# EAGLE board working (EAGLE 9.6.2), part 27 of 28 (continued)
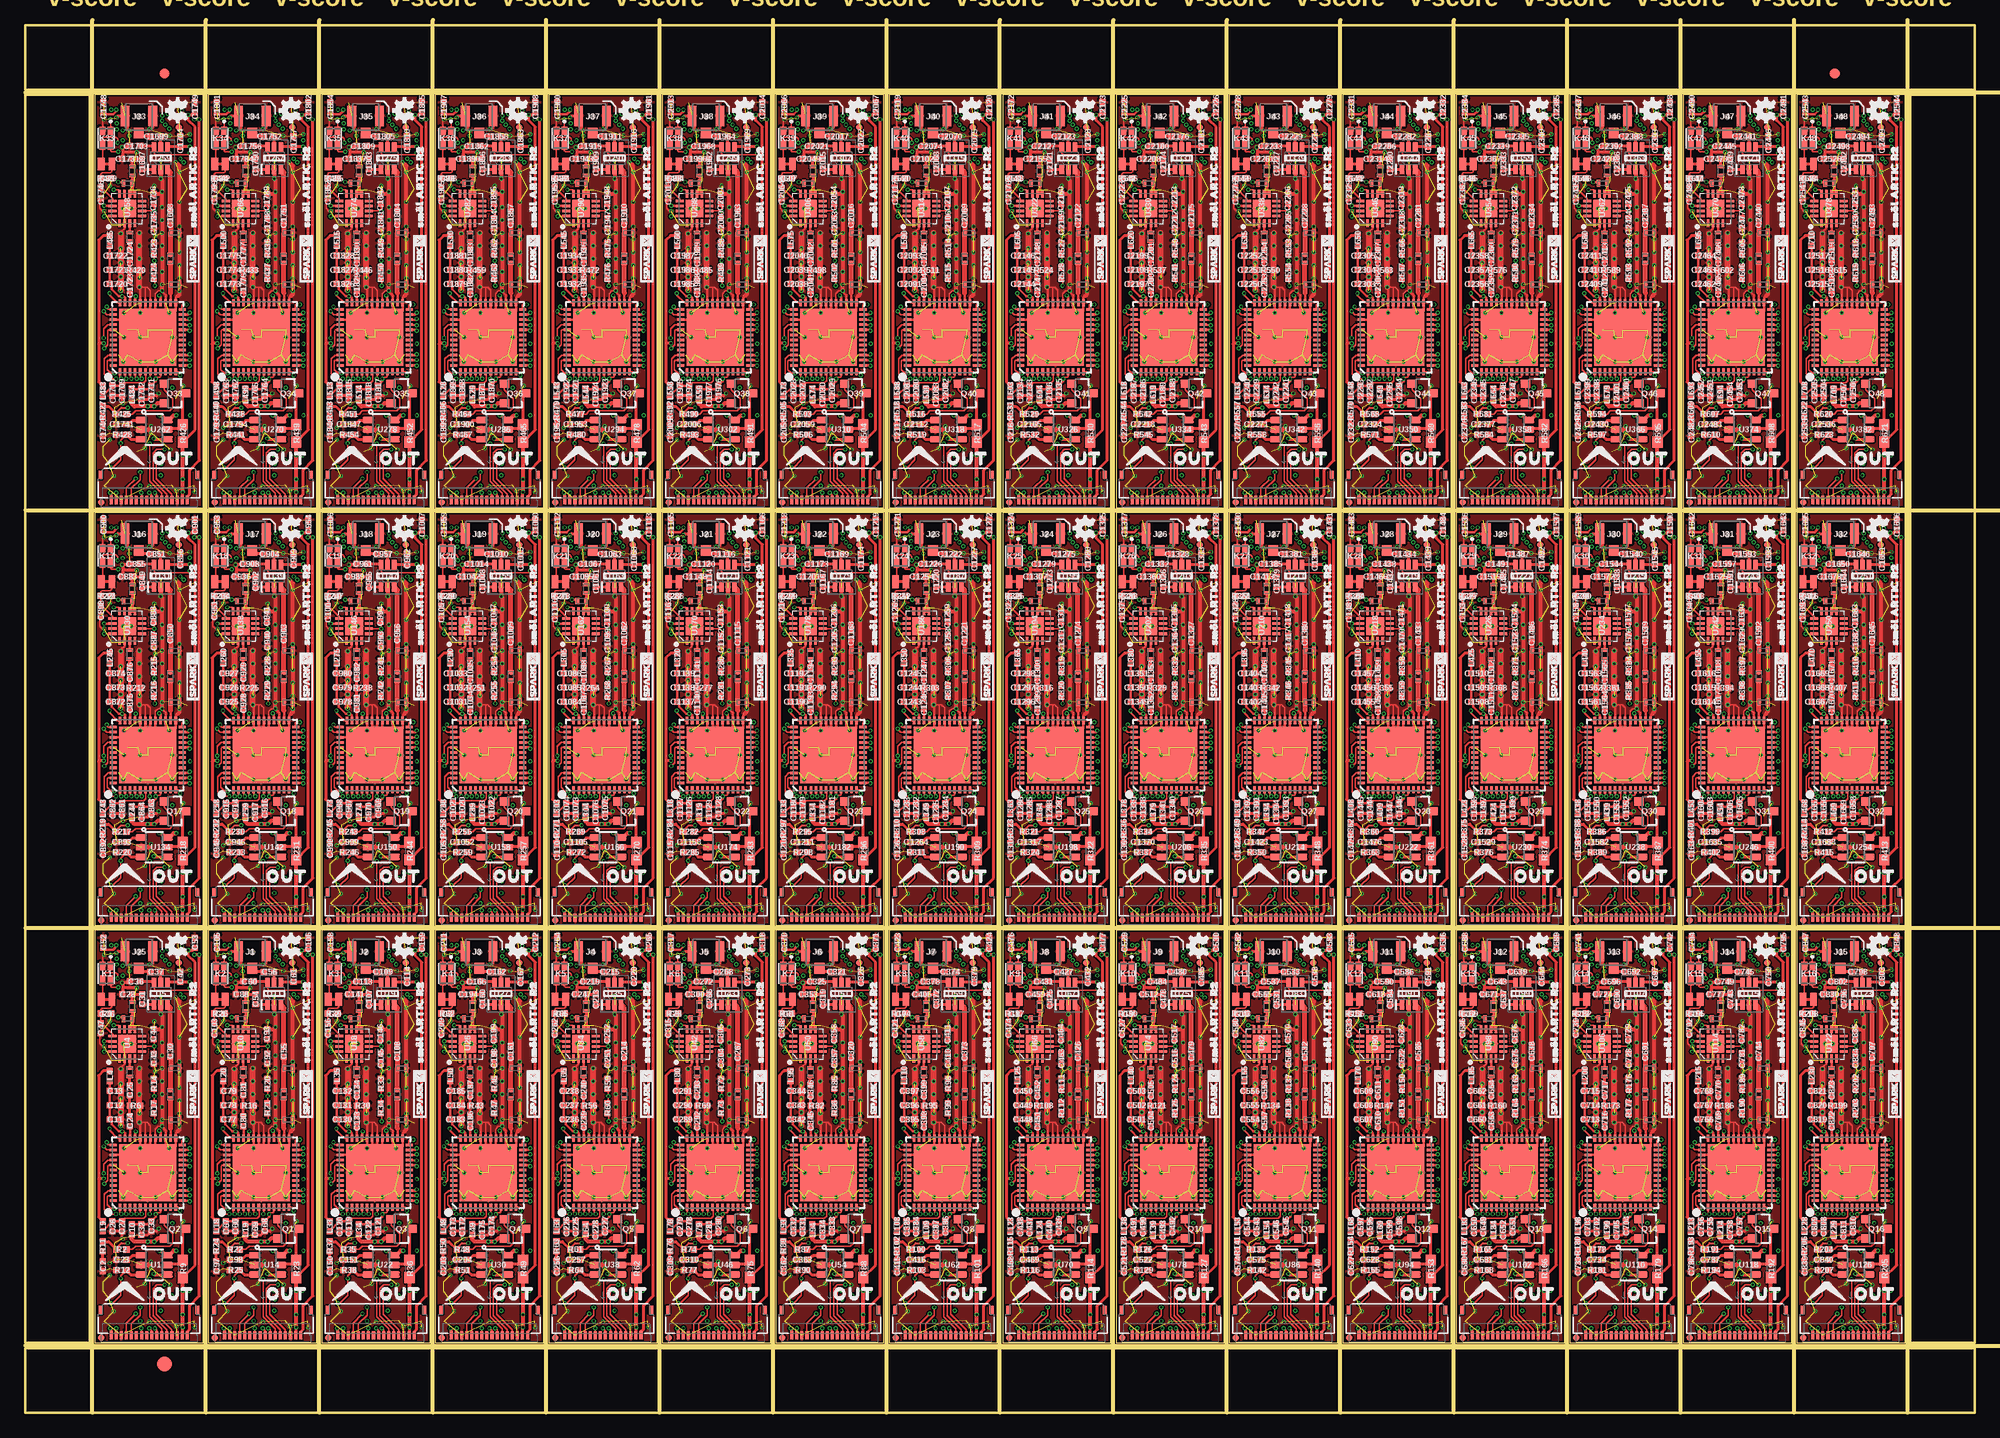
[diagram p0: board, top side]
## Tracks (layer width: path | path; a pad name or v marks a point on that pad's centre or on a via) (continued)
  Bottom 0.254: C1043.1 42.8,80.2 v42.67,80.07 42.67,79.49 R253.2
  Bottom 0.406: C1043.1 C1044.1 C1045.1 43.31,82.62 44.26,83.57 47.6,83.57 v49.13,82.03 | L300.2 47.38,57.78 47.19,57.97 v46.23,57.97 45.91,57.97 | 45.91,57.97 v45.59,57.97 | C1054.1 42.49,55.25 U156.1 42.41,55.28 42.41,54.23 C1012.1 C1053.1 43.25,53.09 43.51,53.34 C1058.1 43.47,53.49 U160.8 44.66,52.16 46.74,54.23 46.74,55.94 45.91,56.77 45.91,57.97 | v49.13,82.03 v48.8,82.36 | L291.2 42.49,71.44 46.23,71.44 46.67,71.88 47.5,71.88 48.2,72.58 49.59,72.58 VDD19.1 49.53,74.3 49.53,77.53 50.42,78.42 U157.3 C1055.1 49.56,80.84 49.56,80.97 | U157.1 48.52,79.92 49.56,80.97 | 49.56,80.97 49.56,81.6 v49.13,82.03 | v49.75,64.15 49.02,64.88 L287.2
VDD20  (via drill 0.2)
  Top 0.254: L310.P$1 54.24,80.07 v53.85,80.07
  Top 0.406: Q21.2 57.74,58.3 v57.42,57.97 v57.4,57.97 v56.77,57.97 55.44,57.97 55.18,58.24 L304.2
  Route15 0.254: v60.92,64.15 58.23,64.15
  Route15 0.305: v59.98,82.36 v60.31,82.03 60.39,81.95 60.39,69.02 59.25,67.88 58.8,67.88 58.23,67.31 58.23,64.15 58.23,60.58 57.09,59.44 57.09,57.97
  Route15 0.406: v56.77,57.97 57.09,57.97 v57.4,57.97
  Bottom 0.203: U164.1 53.61,56.12 53.4,56.32 52.51,56.32 52.31,56.12 U164.3
  Bottom 0.254: C1096.1 53.97,80.2 v53.85,80.07 53.85,79.49 R266.2
  Bottom 0.406: C1096.1 C1097.1 C1098.1 54.49,82.62 55.44,83.57 58.77,83.57 v60.31,82.03 | L315.2 58.55,57.78 58.36,57.97 v57.4,57.97 57.09,57.97 | 57.09,57.97 v56.77,57.97 | C1107.1 53.66,55.25 U164.1 53.58,55.28 53.58,54.23 C1065.1 C1106.1 54.43,53.09 54.68,53.34 C1111.1 54.65,53.49 U168.8 55.84,52.16 57.91,54.23 57.91,55.94 57.09,56.77 57.09,57.97 | v60.31,82.03 v59.98,82.36 | L306.2 53.66,71.44 57.4,71.44 57.85,71.88 58.67,71.88 59.37,72.58 60.77,72.58 VDD20.1 60.71,74.3 60.71,77.53 61.59,78.42 U165.3 C1108.1 60.74,80.84 60.74,80.97 | U165.1 59.69,79.92 60.74,80.97 | 60.74,80.97 60.74,81.6 v60.31,82.03 | v60.92,64.15 60.2,64.88 L302.2
VDD21  (via drill 0.2)
  Top 0.254: L325.P$1 65.42,80.07 v65.02,80.07
  Top 0.406: Q22.2 68.91,58.3 68.59,57.97 v68.58,57.97 v67.95,57.97 66.62,57.97 66.36,58.24 L319.2
  Route15 0.254: v72.1,64.15 69.41,64.15
  Route15 0.305: v71.15,82.36 v71.49,82.03 71.56,81.95 71.56,69.02 70.42,67.88 69.98,67.88 69.41,67.31 69.41,64.15 69.41,60.58 68.26,59.44 68.26,57.97
  Route15 0.406: v67.95,57.97 68.26,57.97 v68.58,57.97
  Bottom 0.203: U172.1 64.78,56.12 64.58,56.32 63.69,56.32 63.48,56.12 U172.3
  Bottom 0.254: C1149.1 65.15,80.2 v65.02,80.07 65.02,79.49 R279.2
  Bottom 0.406: C1149.1 C1150.1 C1151.1 65.67,82.62 66.61,83.57 69.95,83.57 v71.49,82.03 | L330.2 69.73,57.78 69.54,57.97 v68.58,57.97 68.26,57.97 | 68.26,57.97 v67.95,57.97 | C1160.1 64.84,55.25 U172.1 64.76,55.28 64.76,54.23 C1118.1 C1159.1 65.6,53.09 65.86,53.34 C1164.1 65.82,53.49 U176.8 67.02,52.16 69.09,54.23 69.09,55.94 68.26,56.77 68.26,57.97 | v71.49,82.03 v71.15,82.36 | L321.2 64.84,71.44 68.58,71.44 69.02,71.88 69.85,71.88 70.55,72.58 71.95,72.58 VDD21.1 71.88,74.3 71.88,77.53 72.77,78.42 U173.3 C1161.1 71.92,80.84 71.92,80.97 | U173.1 70.87,79.92 71.92,80.97 | 71.92,80.97 71.92,81.6 v71.49,82.03 | v72.1,64.15 71.37,64.88 L317.2
VDD22  (via drill 0.2)
  Top 0.254: L340.P$1 76.59,80.07 v76.2,80.07
  Top 0.406: Q23.2 80.09,58.3 79.77,57.97 v79.76,57.97 v79.12,57.97 77.8,57.97 77.53,58.24 L334.2
  Route15 0.254: v83.28,64.15 80.58,64.15
  Route15 0.305: v82.33,82.36 v82.66,82.03 82.74,81.95 82.74,69.02 81.6,67.88 81.15,67.88 80.58,67.31 80.58,64.15 80.58,60.58 79.44,59.44 79.44,57.97
  Route15 0.406: v79.12,57.97 79.44,57.97 v79.76,57.97
  Bottom 0.203: U180.1 75.96,56.12 75.76,56.32 74.87,56.32 74.66,56.12 U180.3
  Bottom 0.254: C1202.1 76.33,80.2 v76.2,80.07 76.2,79.49 R292.2
  Bottom 0.406: C1202.1 C1203.1 C1204.1 76.84,82.62 77.79,83.57 81.12,83.57 v82.66,82.03 | L345.2 80.91,57.78 80.72,57.97 v79.76,57.97 79.44,57.97 | 79.44,57.97 v79.12,57.97 | C1213.1 76.02,55.25 U180.1 75.94,55.28 75.94,54.23 C1171.1 C1212.1 76.78,53.09 77.03,53.34 C1217.1 77,53.49 U184.8 78.19,52.16 80.26,54.23 80.26,55.94 79.44,56.77 79.44,57.97 | v82.66,82.03 v82.33,82.36 | L336.2 76.02,71.44 79.76,71.44 80.2,71.88 81.03,71.88 81.73,72.58 83.12,72.58 VDD22.1 83.06,74.3 83.06,77.53 83.95,78.42 U181.3 C1214.1 83.09,80.84 83.09,80.97 | U181.1 82.04,79.92 83.09,80.97 | 83.09,80.97 83.09,81.6 v82.66,82.03 | v83.28,64.15 82.55,64.88 L332.2
VDD23  (via drill 0.2)
  Top 0.254: L355.P$1 87.77,80.07 v87.38,80.07
  Top 0.406: Q24.2 91.27,58.3 90.95,57.97 v90.93,57.97 v90.3,57.97 88.97,57.97 88.71,58.24 L349.2
  Route15 0.254: v94.45,64.15 91.76,64.15
  Route15 0.305: v93.51,82.36 v93.84,82.03 93.92,81.95 93.92,69.02 92.77,67.88 92.33,67.88 91.76,67.31 91.76,64.15 91.76,60.58 90.62,59.44 90.62,57.97
  Route15 0.406: v90.3,57.97 90.62,57.97 v90.93,57.97
  Bottom 0.203: U188.1 87.14,56.12 86.93,56.32 86.04,56.32 85.84,56.12 U188.3
  Bottom 0.254: C1255.1 87.5,80.2 v87.38,80.07 87.38,79.49 R305.2
  Bottom 0.406: C1255.1 C1256.1 C1257.1 88.02,82.62 88.96,83.57 92.3,83.57 v93.84,82.03 | L360.2 92.08,57.78 91.89,57.97 v90.93,57.97 90.62,57.97 | 90.62,57.97 v90.3,57.97 | C1266.1 87.19,55.25 U188.1 87.11,55.28 87.11,54.23 C1224.1 C1265.1 87.95,53.09 88.21,53.34 C1270.1 88.17,53.49 U192.8 89.37,52.16 91.44,54.23 91.44,55.94 90.62,56.77 90.62,57.97 | v93.84,82.03 v93.51,82.36 | L351.2 87.19,71.44 90.93,71.44 91.38,71.88 92.2,71.88 92.9,72.58 94.3,72.58 VDD23.1 94.23,74.3 94.23,77.53 95.12,78.42 U189.3 C1267.1 94.27,80.84 94.27,80.97 | U189.1 93.22,79.92 94.27,80.97 | 94.27,80.97 94.27,81.6 v93.84,82.03 | v94.45,64.15 93.73,64.88 L347.2
VDD24  (via drill 0.2)
  Top 0.254: L370.P$1 98.95,80.07 v98.55,80.07
  Top 0.406: Q25.2 102.44,58.3 102.12,57.97 v102.11,57.97 v101.47,57.97 100.15,57.97 99.89,58.24 L364.2
  Route15 0.254: v105.63,64.15 102.93,64.15
  Route15 0.305: v104.68,82.36 v105.01,82.03 105.09,81.95 105.09,69.02 103.95,67.88 103.51,67.88 102.93,67.31 102.93,64.15 102.93,60.58 101.79,59.44 101.79,57.97
  Route15 0.406: v101.47,57.97 101.79,57.97 v102.11,57.97
  Bottom 0.203: U196.1 98.31,56.12 98.11,56.32 97.22,56.32 97.01,56.12 U196.3
  Bottom 0.254: C1308.1 98.68,80.2 v98.55,80.07 98.55,79.49 R318.2
  Bottom 0.406: C1308.1 C1309.1 C1310.1 99.2,82.62 100.14,83.57 103.48,83.57 v105.01,82.03 | L375.2 103.26,57.78 103.07,57.97 v102.11,57.97 101.79,57.97 | 101.79,57.97 v101.47,57.97 | C1319.1 98.37,55.25 U196.1 98.29,55.28 98.29,54.23 C1277.1 C1318.1 99.13,53.09 99.39,53.34 C1323.1 99.35,53.49 U200.8 100.54,52.16 102.62,54.23 102.62,55.94 101.79,56.77 101.79,57.97 | v105.01,82.03 v104.68,82.36 | L366.2 98.37,71.44 102.11,71.44 102.55,71.88 103.38,71.88 104.08,72.58 105.47,72.58 VDD24.1 105.41,74.3 105.41,77.53 106.3,78.42 U197.3 C1320.1 105.44,80.84 105.44,80.97 | U197.1 104.4,79.92 105.44,80.97 | 105.44,80.97 105.44,81.6 v105.01,82.03 | v105.63,64.15 104.9,64.88 L362.2
VDD25  (via drill 0.2)
  Top 0.254: L385.P$1 110.12,80.07 v109.73,80.07
  Top 0.406: Q26.2 113.62,58.3 v113.3,57.97 v113.28,57.97 v112.65,57.97 111.32,57.97 111.06,58.24 L379.2
  Route15 0.254: v116.8,64.15 114.11,64.15
  Route15 0.305: v115.86,82.36 v116.19,82.03 116.27,81.95 116.27,69.02 115.12,67.88 114.68,67.88 114.11,67.31 114.11,64.15 114.11,60.58 112.97,59.44 112.97,57.97
  Route15 0.406: v112.65,57.97 112.97,57.97 v113.28,57.97
  Bottom 0.203: U204.1 109.49,56.12 109.28,56.32 108.4,56.32 108.19,56.12 U204.3
  Bottom 0.254: C1361.1 109.86,80.2 v109.73,80.07 109.73,79.49 R331.2
  Bottom 0.406: C1361.1 C1362.1 C1363.1 110.37,82.62 111.31,83.57 114.65,83.57 v116.19,82.03 | L390.2 114.44,57.78 114.24,57.97 v113.28,57.97 112.97,57.97 | 112.97,57.97 v112.65,57.97 | C1372.1 109.55,55.25 U204.1 109.46,55.28 109.46,54.23 C1330.1 C1371.1 110.31,53.09 110.56,53.34 C1376.1 110.53,53.49 U208.8 111.72,52.16 113.79,54.23 113.79,55.94 112.97,56.77 112.97,57.97 | v116.19,82.03 v115.86,82.36 | L381.2 109.55,71.44 113.28,71.44 113.73,71.88 114.55,71.88 115.25,72.58 116.65,72.58 VDD25.1 116.59,74.3 116.59,77.53 117.47,78.42 U205.3 C1373.1 116.62,80.84 116.62,80.97 | U205.1 115.57,79.92 116.62,80.97 | 116.62,80.97 116.62,81.6 v116.19,82.03 | v116.8,64.15 116.08,64.88 L377.2
VDD26  (via drill 0.2)
  Top 0.254: L400.P$1 121.3,80.07 v120.9,80.07
  Top 0.406: Q27.2 124.79,58.3 124.47,57.97 v124.46,57.97 v123.83,57.97 122.5,57.97 122.24,58.24 L394.2
  Route15 0.254: v127.98,64.15 125.29,64.15
  Route15 0.305: v127.03,82.36 v127.37,82.03 127.45,81.95 127.45,69.02 126.3,67.88 125.86,67.88 125.29,67.31 125.29,64.15 125.29,60.58 124.14,59.44 124.14,57.97
  Route15 0.406: v123.83,57.97 124.14,57.97 v124.46,57.97
  Bottom 0.203: U212.1 120.67,56.12 120.46,56.32 119.57,56.32 119.37,56.12 U212.3
  Bottom 0.254: C1414.1 121.03,80.2 v120.9,80.07 120.9,79.49 R344.2
  Bottom 0.406: C1414.1 C1415.1 C1416.1 121.55,82.62 122.49,83.57 125.83,83.57 v127.37,82.03 | L405.2 125.61,57.78 125.42,57.97 v124.46,57.97 124.14,57.97 | 124.14,57.97 v123.83,57.97 | C1425.1 120.72,55.25 U212.1 120.64,55.28 120.64,54.23 C1383.1 C1424.1 121.48,53.09 121.74,53.34 C1429.1 121.7,53.49 U216.8 122.9,52.16 124.97,54.23 124.97,55.94 124.14,56.77 124.14,57.97 | v127.37,82.03 v127.03,82.36 | L396.2 120.72,71.44 124.46,71.44 124.9,71.88 125.73,71.88 126.43,72.58 127.83,72.58 VDD26.1 127.76,74.3 127.76,77.53 128.65,78.42 U213.3 C1426.1 127.8,80.84 127.8,80.97 | U213.1 126.75,79.92 127.8,80.97 | 127.8,80.97 127.8,81.6 v127.37,82.03 | v127.98,64.15 127.25,64.88 L392.2
VDD27  (via drill 0.2)
  Top 0.254: L415.P$1 132.47,80.07 v132.08,80.07
  Top 0.406: Q28.2 135.97,58.3 135.65,57.97 v135.64,57.97 v135,57.97 133.67,57.97 133.41,58.24 L409.2
  Route15 0.254: v139.16,64.15 136.46,64.15
  Route15 0.305: v138.21,82.36 v138.54,82.03 138.62,81.95 138.62,69.02 137.48,67.88 137.03,67.88 136.46,67.31 136.46,64.15 136.46,60.58 135.32,59.44 135.32,57.97
  Route15 0.406: v135,57.97 135.32,57.97 v135.64,57.97
  Bottom 0.203: U220.1 131.84,56.12 131.64,56.32 130.75,56.32 130.54,56.12 U220.3
  Bottom 0.254: C1467.1 132.21,80.2 v132.08,80.07 132.08,79.49 R357.2
  Bottom 0.406: C1467.1 C1468.1 C1469.1 132.72,82.62 133.67,83.57 137,83.57 v138.54,82.03 | L420.2 136.79,57.78 136.6,57.97 v135.64,57.97 135.32,57.97 | 135.32,57.97 v135,57.97 | C1478.1 131.9,55.25 U220.1 131.81,55.28 131.81,54.23 C1436.1 C1477.1 132.66,53.09 132.91,53.34 C1482.1 132.88,53.49 U224.8 134.07,52.16 136.14,54.23 136.14,55.94 135.32,56.77 135.32,57.97 | v138.54,82.03 v138.21,82.36 | L411.2 131.9,71.44 135.64,71.44 136.08,71.88 136.91,71.88 137.6,72.58 139,72.58 VDD27.1 138.94,74.3 138.94,77.53 139.82,78.42 U221.3 C1479.1 138.97,80.84 138.97,80.97 | U221.1 137.92,79.92 138.97,80.97 | 138.97,80.97 138.97,81.6 v138.54,82.03 | v139.16,64.15 138.43,64.88 L407.2
VDD28  (via drill 0.2)
  Top 0.254: L430.P$1 143.65,80.07 v143.26,80.07
  Top 0.406: Q29.2 147.15,58.3 146.83,57.97 v146.81,57.97 v146.18,57.97 144.85,57.97 144.59,58.24 L424.2
  Route15 0.254: v150.33,64.15 147.64,64.15
  Route15 0.305: v149.39,82.36 v149.72,82.03 149.8,81.95 149.8,69.02 148.65,67.88 148.21,67.88 147.64,67.31 147.64,64.15 147.64,60.58 146.5,59.44 146.5,57.97
  Route15 0.406: v146.18,57.97 146.5,57.97 v146.81,57.97
  Bottom 0.203: U228.1 143.02,56.12 142.81,56.32 141.92,56.32 141.72,56.12 U228.3
  Bottom 0.254: C1520.1 143.38,80.2 v143.26,80.07 143.26,79.49 R370.2
  Bottom 0.406: C1520.1 C1521.1 C1522.1 143.9,82.62 144.84,83.57 148.18,83.57 v149.72,82.03 | L435.2 147.96,57.78 147.77,57.97 v146.81,57.97 146.5,57.97 | 146.5,57.97 v146.18,57.97 | C1531.1 143.07,55.25 U228.1 142.99,55.28 142.99,54.23 C1489.1 C1530.1 143.84,53.09 144.09,53.34 C1535.1 144.05,53.49 U232.8 145.25,52.16 147.32,54.23 147.32,55.94 146.5,56.77 146.5,57.97 | v149.72,82.03 v149.39,82.36 | L426.2 143.07,71.44 146.81,71.44 147.26,71.88 148.08,71.88 148.78,72.58 150.18,72.58 VDD28.1 150.11,74.3 150.11,77.53 151,78.42 U229.3 C1532.1 150.15,80.84 150.15,80.97 | U229.1 149.1,79.92 150.15,80.97 | 150.15,80.97 150.15,81.6 v149.72,82.03 | v150.33,64.15 149.61,64.88 L422.2
VDD29  (via drill 0.2)
  Top 0.254: L445.P$1 154.83,80.07 v154.43,80.07
  Top 0.406: Q30.2 158.32,58.3 158,57.97 v157.99,57.97 v157.35,57.97 156.03,57.97 155.77,58.24 L439.2
  Route15 0.254: v161.51,64.15 158.81,64.15
  Route15 0.305: v160.56,82.36 v160.89,82.03 160.97,81.95 160.97,69.02 159.83,67.88 159.38,67.88 158.81,67.31 158.81,64.15 158.81,60.58 157.67,59.44 157.67,57.97
  Route15 0.406: v157.35,57.97 157.67,57.97 v157.99,57.97
  Bottom 0.203: U236.1 154.19,56.12 153.99,56.32 153.1,56.32 152.89,56.12 U236.3
  Bottom 0.254: C1573.1 154.56,80.2 v154.43,80.07 154.43,79.49 R383.2
  Bottom 0.406: C1573.1 C1574.1 C1575.1 155.08,82.62 156.02,83.57 159.36,83.57 v160.89,82.03 | L450.2 159.14,57.78 158.95,57.97 v157.99,57.97 157.67,57.97 | 157.67,57.97 v157.35,57.97 | C1584.1 154.25,55.25 U236.1 154.17,55.28 154.17,54.23 C1542.1 C1583.1 155.01,53.09 155.27,53.34 C1588.1 155.23,53.49 U240.8 156.42,52.16 158.5,54.23 158.5,55.94 157.67,56.77 157.67,57.97 | v160.89,82.03 v160.56,82.36 | L441.2 154.25,71.44 157.99,71.44 158.43,71.88 159.26,71.88 159.96,72.58 161.35,72.58 VDD29.1 161.29,74.3 161.29,77.53 162.18,78.42 U237.3 C1585.1 161.32,80.84 161.32,80.97 | U237.1 160.28,79.92 161.32,80.97 | 161.32,80.97 161.32,81.6 v160.89,82.03 | v161.51,64.15 160.78,64.88 L437.2
VDD30  (via drill 0.2)
  Top 0.254: L460.P$1 166,80.07 v165.61,80.07
  Top 0.406: Q31.2 169.5,58.3 v169.18,57.97 v169.16,57.97 v168.53,57.97 167.2,57.97 166.94,58.24 L454.2
  Route15 0.254: v172.68,64.15 169.99,64.15
  Route15 0.305: v171.74,82.36 v172.07,82.03 172.15,81.95 172.15,69.02 171.01,67.88 170.56,67.88 169.99,67.31 169.99,64.15 169.99,60.58 168.85,59.44 168.85,57.97
  Route15 0.406: v168.53,57.97 168.85,57.97 v169.16,57.97
  Bottom 0.203: U244.1 165.37,56.12 165.16,56.32 164.28,56.32 164.07,56.12 U244.3
  Bottom 0.254: C1626.1 165.74,80.2 v165.61,80.07 165.61,79.49 R396.2
  Bottom 0.406: C1626.1 C1627.1 C1628.1 166.25,82.62 167.2,83.57 170.53,83.57 v172.07,82.03 | L465.2 170.31,57.78 170.12,57.97 v169.16,57.97 168.85,57.97 | 168.85,57.97 v168.53,57.97 | C1637.1 165.43,55.25 U244.1 165.34,55.28 165.34,54.23 C1595.1 C1636.1 166.19,53.09 166.44,53.34 C1641.1 166.41,53.49 U248.8 167.6,52.16 169.67,54.23 169.67,55.94 168.85,56.77 168.85,57.97 | v172.07,82.03 v171.74,82.36 | L456.2 165.43,71.44 169.16,71.44 169.61,71.88 170.43,71.88 171.13,72.58 172.53,72.58 VDD30.1 172.47,74.3 172.47,77.53 173.35,78.42 U245.3 C1638.1 172.5,80.84 172.5,80.97 | U245.1 171.45,79.92 172.5,80.97 | 172.5,80.97 172.5,81.6 v172.07,82.03 | v172.68,64.15 171.96,64.88 L452.2
VDD31  (via drill 0.2)
  Top 0.254: L475.P$1 177.18,80.07 v176.78,80.07
  Top 0.406: Q32.2 180.67,58.3 180.35,57.97 v180.34,57.97 v179.71,57.97 178.38,57.97 178.12,58.24 L469.2
  Route15 0.254: v183.86,64.15 181.17,64.15
  Route15 0.305: v182.91,82.36 v183.25,82.03 183.32,81.95 183.32,69.02 182.18,67.88 181.74,67.88 181.17,67.31 181.17,64.15 181.17,60.58 180.02,59.44 180.02,57.97
  Route15 0.406: v179.71,57.97 180.02,57.97 v180.34,57.97
  Bottom 0.203: U252.1 176.55,56.12 176.34,56.32 175.45,56.32 175.25,56.12 U252.3
  Bottom 0.254: C1679.1 176.91,80.2 v176.78,80.07 176.78,79.49 R409.2
  Bottom 0.406: C1679.1 C1680.1 C1681.1 177.43,82.62 178.37,83.57 181.71,83.57 v183.25,82.03 | L480.2 181.49,57.78 181.3,57.97 v180.34,57.97 180.02,57.97 | 180.02,57.97 v179.71,57.97 | C1690.1 176.6,55.25 U252.1 176.52,55.28 176.52,54.23 C1648.1 C1689.1 177.36,53.09 177.62,53.34 C1694.1 177.58,53.49 U256.8 178.78,52.16 180.85,54.23 180.85,55.94 180.02,56.77 180.02,57.97 | v183.25,82.03 v182.91,82.36 | L471.2 176.6,71.44 180.34,71.44 180.78,71.88 181.61,71.88 182.31,72.58 183.71,72.58 VDD31.1 183.64,74.3 183.64,77.53 184.53,78.42 U253.3 C1691.1 183.68,80.84 183.68,80.97 | U253.1 182.63,79.92 183.68,80.97 | 183.68,80.97 183.68,81.6 v183.25,82.03 | v183.86,64.15 183.13,64.88 L467.2
VDD32  (via drill 0.2)
  Top 0.254: L490.P$1 9.54,121.22 v9.14,121.22
  Top 0.406: Q33.2 13.03,99.44 12.71,99.12 v12.7,99.12 v12.06,99.12 10.74,99.12 10.48,99.39 L484.2
  Route15 0.254: v16.22,105.3 13.53,105.3
  Route15 0.305: v15.27,123.51 v15.61,123.17 15.68,123.1 15.68,110.17 14.54,109.03 14.1,109.03 13.53,108.46 13.53,105.3 13.53,101.73 12.38,100.58 12.38,99.12
  Route15 0.406: v12.06,99.12 12.38,99.12 v12.7,99.12
  Bottom 0.203: U260.1 8.9,97.27 8.7,97.47 7.81,97.47 7.6,97.27 U260.3
  Bottom 0.254: C1732.1 9.27,121.35 v9.14,121.22 9.14,120.64 R422.2
  Bottom 0.406: C1732.1 C1733.1 C1734.1 9.79,123.77 10.73,124.71 14.07,124.71 v15.61,123.17 | L495.2 13.85,98.93 13.66,99.12 v12.7,99.12 12.38,99.12 | 12.38,99.12 v12.06,99.12 | C1743.1 8.96,96.4 U260.1 8.88,96.43 8.88,95.37 C1701.1 C1742.1 9.72,94.23 9.98,94.49 C1747.1 9.94,94.64 U264.8 11.13,93.3 13.21,95.38 13.21,97.09 12.38,97.92 12.38,99.12 | v15.61,123.17 v15.27,123.51 | L486.2 8.96,112.59 12.7,112.59 13.14,113.03 13.97,113.03 14.67,113.73 16.07,113.73 VDD32.1 16,115.44 16,118.68 16.89,119.57 U261.3 C1744.1 16.04,121.99 16.04,122.12 | U261.1 14.99,121.07 16.04,122.12 | 16.04,122.12 16.04,122.75 v15.61,123.17 | v16.22,105.3 15.49,106.02 L482.2
VDD33  (via drill 0.2)
  Top 0.254: L505.P$1 20.71,121.22 v20.32,121.22
  Top 0.406: Q34.2 24.21,99.44 23.89,99.12 v23.88,99.12 v23.24,99.12 21.91,99.12 21.65,99.39 L499.2
  Route15 0.254: v27.4,105.3 24.7,105.3
  Route15 0.305: v26.45,123.51 v26.78,123.17 26.86,123.1 26.86,110.17 25.72,109.03 25.27,109.03 24.7,108.46 24.7,105.3 24.7,101.73 23.56,100.58 23.56,99.12
  Route15 0.406: v23.24,99.12 23.56,99.12 v23.88,99.12
  Bottom 0.203: U268.1 20.08,97.27 19.88,97.47 18.99,97.47 18.78,97.27 U268.3
  Bottom 0.254: C1785.1 20.45,121.35 v20.32,121.22 20.32,120.64 R435.2
  Bottom 0.406: C1785.1 C1786.1 C1787.1 20.96,123.77 21.91,124.71 25.24,124.71 v26.78,123.17 | L510.2 25.03,98.93 24.84,99.12 v23.88,99.12 23.56,99.12 | 23.56,99.12 v23.24,99.12 | C1796.1 20.14,96.4 U268.1 20.05,96.43 20.05,95.37 C1754.1 C1795.1 20.9,94.23 21.15,94.49 C1800.1 21.12,94.64 U272.8 22.31,93.3 24.38,95.38 24.38,97.09 23.56,97.92 23.56,99.12 | v26.78,123.17 v26.45,123.51 | L501.2 20.14,112.59 23.88,112.59 24.32,113.03 25.15,113.03 25.84,113.73 27.24,113.73 VDD33.1 27.18,115.44 27.18,118.68 28.06,119.57 U269.3 C1797.1 27.21,121.99 27.21,122.12 | U269.1 26.16,121.07 27.21,122.12 | 27.21,122.12 27.21,122.75 v26.78,123.17 | v27.4,105.3 26.67,106.02 L497.2
VDD34  (via drill 0.2)
  Top 0.254: L520.P$1 31.89,121.22 v31.5,121.22
  Top 0.406: Q35.2 35.38,99.44 35.06,99.12 v35.05,99.12 v34.42,99.12 33.09,99.12 32.83,99.39 L514.2
  Route15 0.254: v38.57,105.3 35.88,105.3
  Route15 0.305: v37.63,123.51 v37.96,123.17 38.04,123.1 38.04,110.17 36.89,109.03 36.45,109.03 35.88,108.46 35.88,105.3 35.88,101.73 34.73,100.58 34.73,99.12
  Route15 0.406: v34.42,99.12 34.73,99.12 v35.05,99.12
  Bottom 0.203: U276.1 31.26,97.27 31.05,97.47 30.16,97.47 29.96,97.27 U276.3
  Bottom 0.254: C1838.1 31.62,121.35 v31.5,121.22 31.5,120.64 R448.2
  Bottom 0.406: C1838.1 C1839.1 C1840.1 32.14,123.77 33.08,124.71 36.42,124.71 v37.96,123.17 | L525.2 36.2,98.93 36.01,99.12 v35.05,99.12 34.73,99.12 | 34.73,99.12 v34.42,99.12 | C1849.1 31.31,96.4 U276.1 31.23,96.43 31.23,95.37 C1807.1 C1848.1 32.08,94.23 32.33,94.49 C1853.1 32.29,94.64 U280.8 33.49,93.3 35.56,95.38 35.56,97.09 34.73,97.92 34.73,99.12 | v37.96,123.17 v37.63,123.51 | L516.2 31.31,112.59 35.05,112.59 35.5,113.03 36.32,113.03 37.02,113.73 38.42,113.73 VDD34.1 38.35,115.44 38.35,118.68 39.24,119.57 U277.3 C1850.1 38.39,121.99 38.39,122.12 | U277.1 37.34,121.07 38.39,122.12 | 38.39,122.12 38.39,122.75 v37.96,123.17 | v38.57,105.3 37.85,106.02 L512.2
VDD35  (via drill 0.2)
  Top 0.254: L535.P$1 43.07,121.22 v42.67,121.22
  Top 0.406: Q36.2 46.56,99.44 46.24,99.12 v46.23,99.12 v45.59,99.12 44.27,99.12 44.01,99.39 L529.2
  Route15 0.254: v49.75,105.3 47.05,105.3
  Route15 0.305: v48.8,123.51 v49.13,123.17 49.21,123.1 49.21,110.17 48.07,109.03 47.62,109.03 47.05,108.46 47.05,105.3 47.05,101.73 45.91,100.58 45.91,99.12
  Route15 0.406: v45.59,99.12 45.91,99.12 v46.23,99.12
  Bottom 0.203: U284.1 42.43,97.27 42.23,97.47 41.34,97.47 41.13,97.27 U284.3
  Bottom 0.254: C1891.1 42.8,121.35 v42.67,121.22 42.67,120.64 R461.2
  Bottom 0.406: C1891.1 C1892.1 C1893.1 43.31,123.77 44.26,124.71 47.6,124.71 v49.13,123.17 | L540.2 47.38,98.93 47.19,99.12 v46.23,99.12 45.91,99.12 | 45.91,99.12 v45.59,99.12 | C1902.1 42.49,96.4 U284.1 42.41,96.43 42.41,95.37 C1860.1 C1901.1 43.25,94.23 43.51,94.49 C1906.1 43.47,94.64 U288.8 44.66,93.3 46.74,95.38 46.74,97.09 45.91,97.92 45.91,99.12 | v49.13,123.17 v48.8,123.51 | L531.2 42.49,112.59 46.23,112.59 46.67,113.03 47.5,113.03 48.2,113.73 49.59,113.73 VDD35.1 49.53,115.44 49.53,118.68 50.42,119.57 U285.3 C1903.1 49.56,121.99 49.56,122.12 | U285.1 48.52,121.07 49.56,122.12 | 49.56,122.12 49.56,122.75 v49.13,123.17 | v49.75,105.3 49.02,106.02 L527.2
VDD36  (via drill 0.2)
  Top 0.254: L550.P$1 54.24,121.22 v53.85,121.22
  Top 0.406: Q37.2 57.74,99.44 v57.42,99.12 v57.4,99.12 v56.77,99.12 55.44,99.12 55.18,99.39 L544.2
  Route15 0.254: v60.92,105.3 58.23,105.3
  Route15 0.305: v59.98,123.51 v60.31,123.17 60.39,123.1 60.39,110.17 59.25,109.03 58.8,109.03 58.23,108.46 58.23,105.3 58.23,101.73 57.09,100.58 57.09,99.12
  Route15 0.406: v56.77,99.12 57.09,99.12 v57.4,99.12
  Bottom 0.203: U292.1 53.61,97.27 53.4,97.47 52.51,97.47 52.31,97.27 U292.3
  Bottom 0.254: C1944.1 53.97,121.35 v53.85,121.22 53.85,120.64 R474.2
  Bottom 0.406: C1944.1 C1945.1 C1946.1 54.49,123.77 55.44,124.71 58.77,124.71 v60.31,123.17 | L555.2 58.55,98.93 58.36,99.12 v57.4,99.12 57.09,99.12 | 57.09,99.12 v56.77,99.12 | C1955.1 53.66,96.4 U292.1 53.58,96.43 53.58,95.37 C1913.1 C1954.1 54.43,94.23 54.68,94.49 C1959.1 54.65,94.64 U296.8 55.84,93.3 57.91,95.38 57.91,97.09 57.09,97.92 57.09,99.12 | v60.31,123.17 v59.98,123.51 | L546.2 53.66,112.59 57.4,112.59 57.85,113.03 58.67,113.03 59.37,113.73 60.77,113.73 VDD36.1 60.71,115.44 60.71,118.68 61.59,119.57 U293.3 C1956.1 60.74,121.99 60.74,122.12 | U293.1 59.69,121.07 60.74,122.12 | 60.74,122.12 60.74,122.75 v60.31,123.17 | v60.92,105.3 60.2,106.02 L542.2
VDD37  (via drill 0.2)
  Top 0.254: L565.P$1 65.42,121.22 v65.02,121.22
  Top 0.406: Q38.2 68.91,99.44 68.59,99.12 v68.58,99.12 v67.95,99.12 66.62,99.12 66.36,99.39 L559.2
  Route15 0.254: v72.1,105.3 69.41,105.3
  Route15 0.305: v71.15,123.51 v71.49,123.17 71.56,123.1 71.56,110.17 70.42,109.03 69.98,109.03 69.41,108.46 69.41,105.3 69.41,101.73 68.26,100.58 68.26,99.12
  Route15 0.406: v67.95,99.12 68.26,99.12 v68.58,99.12
  Bottom 0.203: U300.1 64.78,97.27 64.58,97.47 63.69,97.47 63.48,97.27 U300.3
  Bottom 0.254: C1997.1 65.15,121.35 v65.02,121.22 65.02,120.64 R487.2
  Bottom 0.406: C1997.1 C1998.1 C1999.1 65.67,123.77 66.61,124.71 69.95,124.71 v71.49,123.17 | L570.2 69.73,98.93 69.54,99.12 v68.58,99.12 68.26,99.12 | 68.26,99.12 v67.95,99.12 | C2008.1 64.84,96.4 U300.1 64.76,96.43 64.76,95.37 C1966.1 C2007.1 65.6,94.23 65.86,94.49 C2012.1 65.82,94.64 U304.8 67.02,93.3 69.09,95.38 69.09,97.09 68.26,97.92 68.26,99.12 | v71.49,123.17 v71.15,123.51 | L561.2 64.84,112.59 68.58,112.59 69.02,113.03 69.85,113.03 70.55,113.73 71.95,113.73 VDD37.1 71.88,115.44 71.88,118.68 72.77,119.57 U301.3 C2009.1 71.92,121.99 71.92,122.12 | U301.1 70.87,121.07 71.92,122.12 | 71.92,122.12 71.92,122.75 v71.49,123.17 | v72.1,105.3 71.37,106.02 L557.2
VDD38  (via drill 0.2)
  Top 0.254: L580.P$1 76.59,121.22 v76.2,121.22
  Top 0.406: Q39.2 80.09,99.44 79.77,99.12 v79.76,99.12 v79.12,99.12 77.8,99.12 77.53,99.39 L574.2
  Route15 0.254: v83.28,105.3 80.58,105.3
  Route15 0.305: v82.33,123.51 v82.66,123.17 82.74,123.1 82.74,110.17 81.6,109.03 81.15,109.03 80.58,108.46 80.58,105.3 80.58,101.73 79.44,100.58 79.44,99.12
  Route15 0.406: v79.12,99.12 79.44,99.12 v79.76,99.12
  Bottom 0.203: U308.1 75.96,97.27 75.76,97.47 74.87,97.47 74.66,97.27 U308.3
  Bottom 0.254: C2050.1 76.33,121.35 v76.2,121.22 76.2,120.64 R500.2
  Bottom 0.406: C2050.1 C2051.1 C2052.1 76.84,123.77 77.79,124.71 81.12,124.71 v82.66,123.17 | L585.2 80.91,98.93 80.72,99.12 v79.76,99.12 79.44,99.12 | 79.44,99.12 v79.12,99.12 | C2061.1 76.02,96.4 U308.1 75.94,96.43 75.94,95.37 C2019.1 C2060.1 76.78,94.23 77.03,94.49 C2065.1 77,94.64 U312.8 78.19,93.3 80.26,95.38 80.26,97.09 79.44,97.92 79.44,99.12 | v82.66,123.17 v82.33,123.51 | L576.2 76.02,112.59 79.76,112.59 80.2,113.03 81.03,113.03 81.73,113.73 83.12,113.73 VDD38.1 83.06,115.44 83.06,118.68 83.95,119.57 U309.3 C2062.1 83.09,121.99 83.09,122.12 | U309.1 82.04,121.07 83.09,122.12 | 83.09,122.12 83.09,122.75 v82.66,123.17 | v83.28,105.3 82.55,106.02 L572.2
VDD39  (via drill 0.2)
  Top 0.254: L595.P$1 87.77,121.22 v87.38,121.22
  Top 0.406: Q40.2 91.27,99.44 90.95,99.12 v90.93,99.12 v90.3,99.12 88.97,99.12 88.71,99.39 L589.2
  Route15 0.254: v94.45,105.3 91.76,105.3
  Route15 0.305: v93.51,123.51 v93.84,123.17 93.92,123.1 93.92,110.17 92.77,109.03 92.33,109.03 91.76,108.46 91.76,105.3 91.76,101.73 90.62,100.58 90.62,99.12
  Route15 0.406: v90.3,99.12 90.62,99.12 v90.93,99.12
  Bottom 0.203: U316.1 87.14,97.27 86.93,97.47 86.04,97.47 85.84,97.27 U316.3